# Altium PCB ASM001-design.PcbDoc (part 1 of 2) (continued)
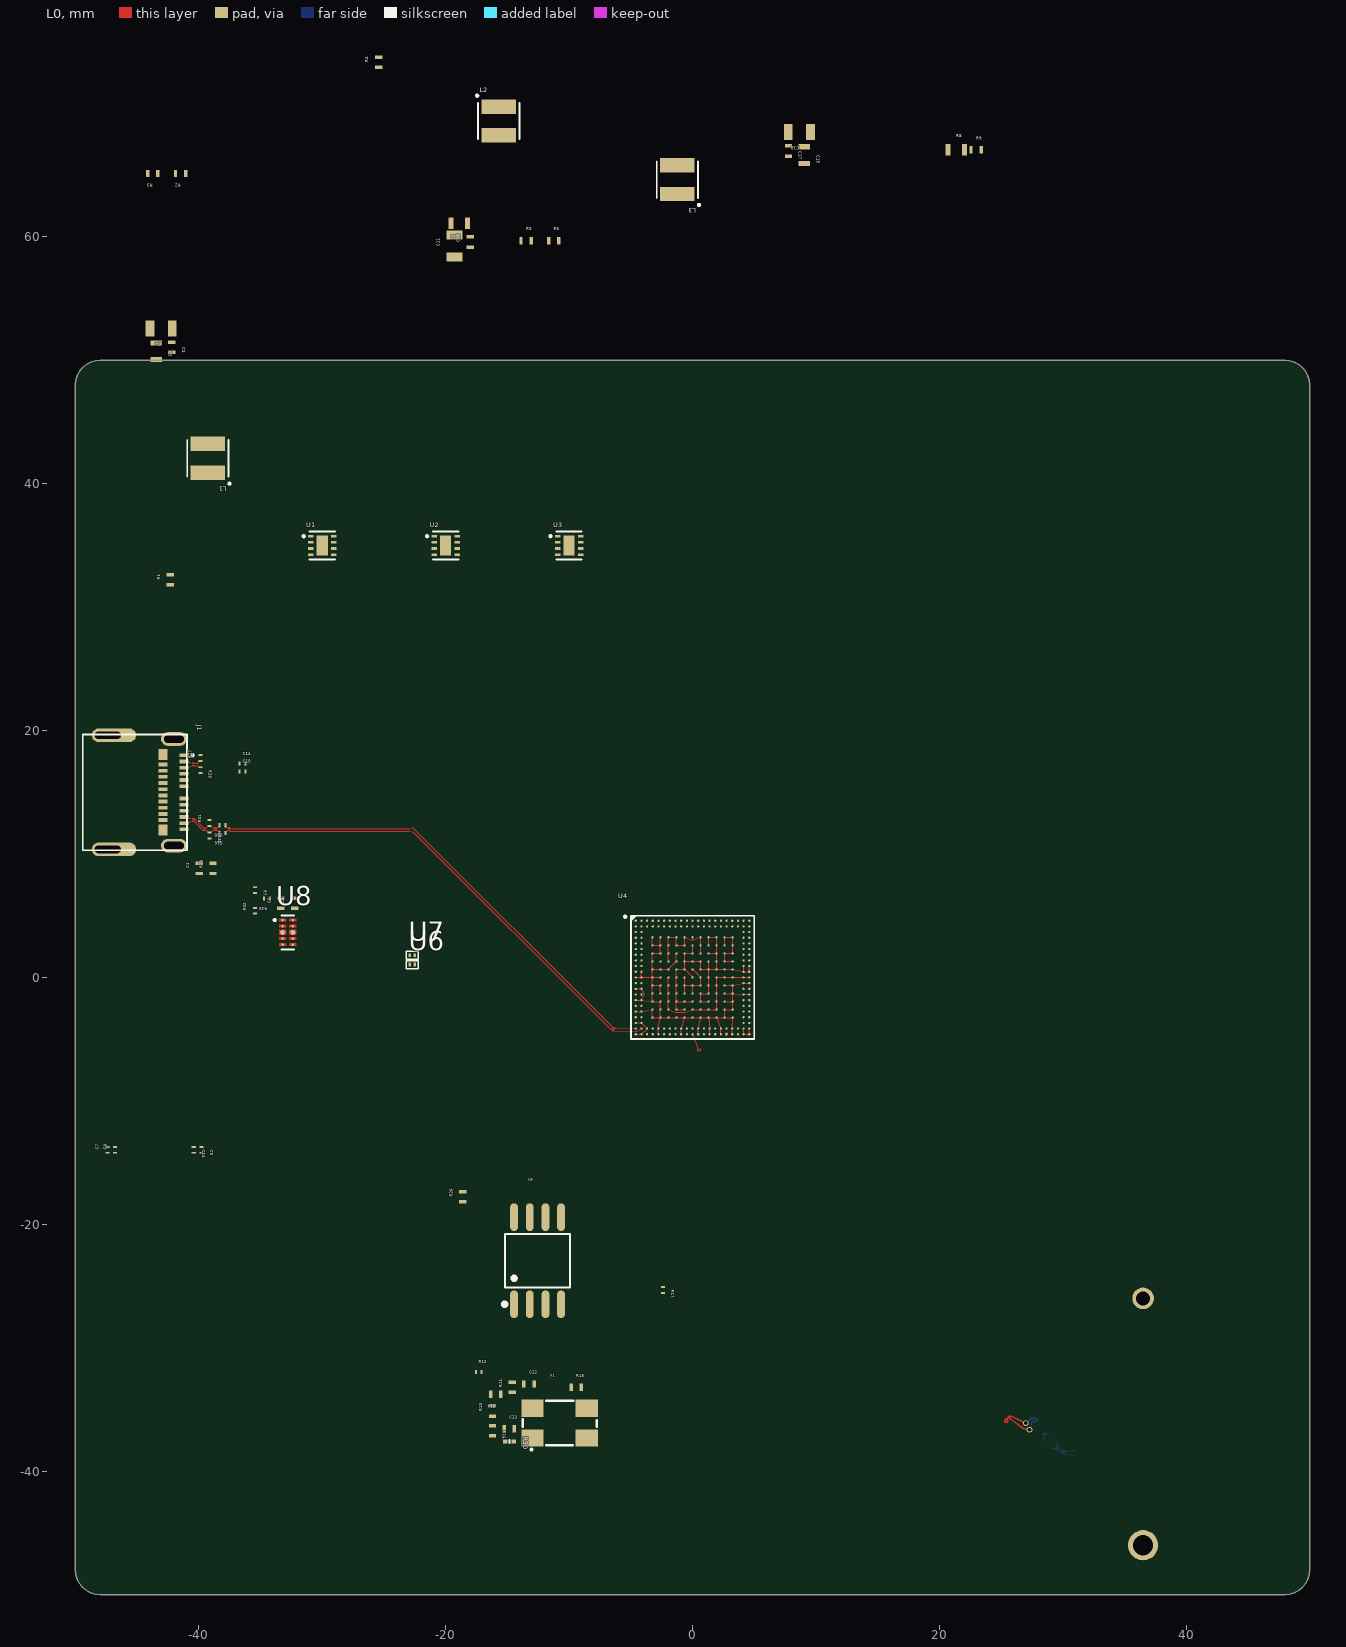
[diagram p0: L0 view]
## Part data
C1 C3 C17: Capacitance=4.7e-009, capacitor=true, case=0402, Manufacturer=YAGEO, manufacturer_aliases="[\"YAGEO\"]", Maximum Voltage=50.0V, MPN=CC0402KRX7R9BB472, mpn_aliases="[\"CC0402KRX7R9BB472\"]", rated-temperature="Toleranced(-55.0 <= 35.0 <= 125.0)", rated-voltage=50.0, temperature-coefficent=X7R, Tolerance="Toleranced(4.23e-009 <= 4.7e-009 <= 5.17e-009)", vendor_part_numbers.lcsc=C106208, area=0.5, category=capacitor, cofactr_id=CC7G7J78HHCN, Datasheet=https://www.lcsc.com/datasheet/lcsc_datasheet_2304140030_YAGEO-CC0402KRX7R9BB472_C106208.pdf, metadata.applications="General Purpose", metadata.description="50V 4.7nF X7R ±10% 0402  Multilayer Ceramic Capacitors MLCC - SMD/SMT ROHS", metadata.packaging="Tape & Reel (TR)", minimum_quantity=20, mounting=smd, Price=0.000884058, Reference=false, reference_prefix=C, stock=91353, trust=low, Type=ceramic, vendor_part_numbers.digi-key=311-1418-2-ND, x=0.5, y=1.0
  C1: query-properties="[\"capacitance\" => 4.7e-009 \"tolerance\" => 0.1 \"type\" => \"ceramic\" \"temperature-coefficient.code\" => [\"X7R\" \"X5R\"] \"min-rated-voltage\" => 6.0 \"category\" => \"capacitor\" \"case\" => [\"0402\" \"0603\" \"0805\" \"1210\"] \"mounting\" => \"smd\" \"min-stock\" => 1 \"_sellers\" => [\"JLCPCB\"]]"
  C3: query-properties="[\"min-rated-voltage\" => 0.35595 \"capacitance\" => 4.7e-009 \"tolerance\" => 0.1 \"type\" => \"ceramic\" \"temperature-coefficient.code\" => [\"X7R\" \"X5R\"] \"category\" => \"capacitor\" \"case\" => [\"0402\" \"0603\" \"0805\" \"1210\"] \"mounting\" => \"smd\" \"min-stock\" => 1 \"_sellers\" => [\"JLCPCB\"]]"
  C17: query-properties="[\"min-rated-voltage\" => 1.0197 \"capacitance\" => 4.7e-009 \"tolerance\" => 0.1 \"type\" => \"ceramic\" \"temperature-coefficient.code\" => [\"X7R\" \"X5R\"] \"category\" => \"capacitor\" \"case\" => [\"0402\" \"0603\" \"0805\" \"1210\"] \"mounting\" => \"smd\" \"min-stock\" => 1 \"_sellers\" => [\"JLCPCB\"]]"
C2 C6: Capacitance=2.2e-009, capacitor=true, case=0402, Manufacturer="Walsin Technology Corporation", manufacturer_aliases="[\"Walsin Technology Corporation\"]", Maximum Voltage=50.0V, MPN=0402B222K500CT, mpn_aliases="[\"0402B222K500CT\"]", rated-temperature="Toleranced(-55.0 <= 35.0 <= 125.0)", rated-voltage=50.0, temperature-coefficent=X7R, Tolerance="Toleranced(1.98e-009 <= 2.2e-009 <= 2.42e-009)", area=0.5, category=capacitor, cofactr_id=CCV6Z375U8GT, Datasheet=https://wmsc.lcsc.com/wmsc/upload/file/pdf/v2/lcsc/2304140030_Walsin-Tech-Corp-0402B222K500CT_C338130.pdf, metadata.applications="General Purpose", metadata.description="50V 2.2nF X7R ±10% 0402  Multilayer Ceramic Capacitors MLCC - SMD/SMT ROHS", metadata.packaging="Tape & Reel (TR)", minimum_quantity=20, mounting=smd, Price=0.000913043, query-properties="[\"tolerance\" => 0.1 \"case\" => [\"0201\" \"0603m\" \"0202\" \"0606m\" \"0204\" \"0510m\" \"Wide 0402\" \"0306\" \"0816m\" \"Wide 0603\" \"0402\" \"1005m\" \"0505\" \"1414m\" \"0508\" \"1220m\" \"Wide 0805\" \"0603\" \"1608m\" \"0612\" \"1632m\" \"Wide 1206\" \"0805\" \"2012m\" \"1111\" \"2828m\" \"1206\" \"3216m\" \"1210\" \"3225m\" \"1218\" \"3246m\" \"Wide 1812\" \"1225\" \"3263m\" \"Wide 2512\" \"1530\" \"3876m\" \"Wide 3015\" \"1808\" \"4520m\" \"1812\" \"4532m\" \"1825\" \"4564m\" \"1835\" \"4589\" \"Wide 3518\" \"5020m\" \"2010\" \"5025m\" \"2043\" \"Wide 4320\" \"2220\" \"5750m\" \"2225\" \"5763m\" \"2312\" \"6032m\" \"2512\" \"6331m\" \"2725\" \"7142m\" \"2728\" \"7142m\" \"Wide 2827\" \"2816\" \"2817\" \"7142m\" \"2953\" \"Wide 5929\" \"3920\" \"1052m\"] \"rated-voltage\" => 50.0 \"capacitance\" => 2.2e-009 \"type\" => \"ceramic\" \"temperature-coefficient.code\" => [\"X7R\" \"X5R\"] \"category\" => \"capacitor\" \"mounting\" => \"smd\" \"min-stock\" => 1 \"_sellers\" => [\"JLCPCB\"]]", Reference=false, reference_prefix=C, stock=10095, trust=low, Type=ceramic, vendor_part_numbers.digi-key=1292-1193-2-ND, vendor_part_numbers.lcsc=C338130, x=0.5, y=1.0
C4 C18: Capacitance=2.2e-005, capacitor=true, case=0805, Manufacturer="Samsung Electro-Mechanics", manufacturer_aliases="[\"Samsung Electro-Mechanics\"]", Maximum Voltage=6.3V, MPN=CL21A226KQQNNNE, mpn_aliases="[\"CL21A226KQQNNNE\"]", rated-temperature="Toleranced(-55.0 <= 15.0 <= 85.0)", rated-voltage=6.3, temperature-coefficent=X5R, Tolerance="Toleranced(1.98e-005 <= 2.2e-005 <= 2.42e-005)", vendor_part_numbers.lcsc=C87997, area=2.4, category=capacitor, cofactr_id=CC3ZNPURR0Q3, Datasheet=https://www.lcsc.com/datasheet/lcsc_datasheet_2304140030_Samsung-Electro-Mechanics-CL21A226KQQNNNE_C87997.pdf, metadata.applications="General Purpose", metadata.description="6.3V 22uF X5R ±10% 0805  Multilayer Ceramic Capacitors MLCC - SMD/SMT ROHS", metadata.packaging="Tape & Reel (TR)", minimum_quantity=5, mounting=smd, Price=0.024202899, Reference=false, reference_prefix=C, stock=6100, trust=low, Type=ceramic, vendor_part_numbers.digi-key=1276-2907-2-ND, x=1.2, y=2.0
  C4: query-properties="[\"min-rated-voltage\" => 0.35595 \"capacitance\" => 2.2e-005 \"tolerance\" => 0.1 \"type\" => \"ceramic\" \"temperature-coefficient.code\" => [\"X7R\" \"X5R\"] \"category\" => \"capacitor\" \"case\" => [\"0402\" \"0603\" \"0805\" \"1210\"] \"mounting\" => \"smd\" \"min-stock\" => 1 \"_sellers\" => [\"JLCPCB\"]]"
  C18: query-properties="[\"min-rated-voltage\" => 1.0197 \"capacitance\" => 2.2e-005 \"tolerance\" => 0.1 \"type\" => \"ceramic\" \"temperature-coefficient.code\" => [\"X7R\" \"X5R\"] \"category\" => \"capacitor\" \"case\" => [\"0402\" \"0603\" \"0805\" \"1210\"] \"mounting\" => \"smd\" \"min-stock\" => 1 \"_sellers\" => [\"JLCPCB\"]]"
C5 C12: Capacitance=1.0e-005, capacitor=true, case=0603, Manufacturer="Samsung Electro-Mechanics", manufacturer_aliases="[\"Samsung Electro-Mechanics\"]", Maximum Voltage=10.0V, MPN=CL10A106KP8NNNC, mpn_aliases="[\"CL10A106KP8NNNC\"]", rated-temperature="Toleranced(-55.0 <= 15.0 <= 85.0)", rated-voltage=10.0, temperature-coefficent=X5R, Tolerance="Toleranced(9.0e-006 <= 1.0e-005 <= 1.1e-005)", vendor_part_numbers.lcsc=C19702, area=1.28, category=capacitor, cofactr_id=XXV72YFXSLXT, Datasheet=https://www.lcsc.com/datasheet/lcsc_datasheet_2304140030_Samsung-Electro-Mechanics-CL10A106KP8NNNC_C19702.pdf, metadata.applications="General Purpose", metadata.description="10V 10uF X5R ±10% 0603  Multilayer Ceramic Capacitors MLCC - SMD/SMT ROHS", metadata.packaging="Cut Tape (CT)", minimum_quantity=20, mounting=smd, Price=0.004536232, query-properties="[\"min-rated-voltage\" => 1.65 \"capacitance\" => 1.0e-005 \"tolerance\" => 0.1 \"type\" => \"ceramic\" \"temperature-coefficient.code\" => [\"X7R\" \"X5R\"] \"category\" => \"capacitor\" \"case\" => [\"0402\" \"0603\" \"0805\" \"1210\"] \"mounting\" => \"smd\" \"min-stock\" => 1 \"_sellers\" => [\"JLCPCB\"]]", Reference=false, reference_prefix=C, stock=5110333, trust=low, Type=ceramic, vendor_part_numbers.digi-key=1276-1192-1-ND, x=0.8, y=1.6
C7 C8 C9 C13: Capacitance=2.2e-007, capacitor=true, case=0201, Manufacturer="Murata Electronics", manufacturer_aliases="[\"Murata Electronics\"]", Maximum Voltage=6.3V, MPN=GRM033R60J224KE15D, mpn_aliases="[\"GRM033R60J224KE15D\"]", rated-temperature="Toleranced(-55.0 <= 15.0 <= 85.0)", rated-voltage=6.3, temperature-coefficent=X5R, Tolerance="Toleranced(1.98e-007 <= 2.2e-007 <= 2.42e-007)", area=0.18, category=capacitor, cofactr_id=CCC4JRK6CIEE, Datasheet=https://wmsc.lcsc.com/wmsc/upload/file/pdf/v2/lcsc/1811081531_Murata-Electronics-GRM033R60J224KE15D_C76931.pdf, metadata.applications="General Purpose", metadata.description="6.3V 220nF X5R ±10% 0201  Multilayer Ceramic Capacitors MLCC - SMD/SMT ROHS", metadata.packaging="Cut Tape (CT)", minimum_quantity=20, mounting=smd, Price=0.002028986, query-properties="[\"case\" => [\"0201\" \"0603m\" \"0202\" \"0606m\" \"0204\" \"0510m\" \"Wide 0402\" \"0306\" \"0816m\" \"Wide 0603\" \"0402\" \"1005m\" \"0505\" \"1414m\" \"0508\" \"1220m\" \"Wide 0805\" \"0603\" \"1608m\" \"0612\" \"1632m\" \"Wide 1206\" \"0805\" \"2012m\" \"1111\" \"2828m\" \"1206\" \"3216m\" \"1210\" \"3225m\" \"1218\" \"3246m\" \"Wide 1812\" \"1225\" \"3263m\" \"Wide 2512\" \"1530\" \"3876m\" \"Wide 3015\" \"1808\" \"4520m\" \"1812\" \"4532m\" \"1825\" \"4564m\" \"1835\" \"4589\" \"Wide 3518\" \"5020m\" \"2010\" \"5025m\" \"2043\" \"Wide 4320\" \"2220\" \"5750m\" \"2225\" \"5763m\" \"2312\" \"6032m\" \"2512\" \"6331m\" \"2725\" \"7142m\" \"2728\" \"7142m\" \"Wide 2827\" \"2816\" \"2817\" \"7142m\" \"2953\" \"Wide 5929\" \"3920\" \"1052m\"] \"min-capacitance\" => 1.35e-007 \"max-capacitance\" => 265000.0 \"tolerance\" => 0.1 \"type\" => \"ceramic\" \"temperature-coefficient.code\" => [\"X7R\" \"X5R\"] \"min-rated-voltage\" => 6.0 \"category\" => \"capacitor\" \"mounting\" => \"smd\" \"min-stock\" => 1 \"_sellers\" => [\"JLCPCB\"]]", Reference=false, reference_prefix=C, stock=8578, trust=low, Type=ceramic, vendor_part_numbers.digi-key=490-10406-1-ND, vendor_part_numbers.lcsc=C76931, x=0.3, y=0.6
C10: Capacitance=4.7e-009, capacitor=true, case=0402, Manufacturer=YAGEO, manufacturer_aliases="[\"YAGEO\"]", Maximum Voltage=50.0V, MPN=CC0402KRX7R9BB472, mpn_aliases="[\"CC0402KRX7R9BB472\"]", rated-temperature="Toleranced(-55.0 <= 35.0 <= 125.0)", rated-voltage=50.0, temperature-coefficent=X7R, Tolerance="Toleranced(4.23e-009 <= 4.7e-009 <= 5.17e-009)", area=0.5, category=capacitor, cofactr_id=CC7G7J78HHCN, Datasheet=https://www.lcsc.com/datasheet/lcsc_datasheet_2304140030_YAGEO-CC0402KRX7R9BB472_C106208.pdf, metadata.applications="General Purpose", metadata.description="50V 4.7nF X7R ±10% 0402  Multilayer Ceramic Capacitors MLCC - SMD/SMT ROHS", metadata.packaging="Tape & Reel (TR)", minimum_quantity=20, mounting=smd, Price=0.000884058, query-properties="[\"min-rated-voltage\" => 0.5985 \"capacitance\" => 4.7e-009 \"tolerance\" => 0.1 \"type\" => \"ceramic\" \"temperature-coefficient.code\" => [\"X7R\" \"X5R\"] \"category\" => \"capacitor\" \"case\" => [\"0402\" \"0603\" \"0805\" \"1210\"] \"mounting\" => \"smd\" \"min-stock\" => 1 \"_sellers\" => [\"JLCPCB\"]]", Reference=false, reference_prefix=C, stock=91353, trust=low, Type=ceramic, vendor_part_numbers.digi-key=311-1418-2-ND, vendor_part_numbers.lcsc=C106208, x=0.5, y=1.0
C11: Capacitance=2.2e-005, capacitor=true, case=0805, Manufacturer="Samsung Electro-Mechanics", manufacturer_aliases="[\"Samsung Electro-Mechanics\"]", Maximum Voltage=6.3V, MPN=CL21A226KQQNNNE, mpn_aliases="[\"CL21A226KQQNNNE\"]", rated-temperature="Toleranced(-55.0 <= 15.0 <= 85.0)", rated-voltage=6.3, temperature-coefficent=X5R, Tolerance="Toleranced(1.98e-005 <= 2.2e-005 <= 2.42e-005)", area=2.4, category=capacitor, cofactr_id=CC3ZNPURR0Q3, Datasheet=https://www.lcsc.com/datasheet/lcsc_datasheet_2304140030_Samsung-Electro-Mechanics-CL21A226KQQNNNE_C87997.pdf, metadata.applications="General Purpose", metadata.description="6.3V 22uF X5R ±10% 0805  Multilayer Ceramic Capacitors MLCC - SMD/SMT ROHS", metadata.packaging="Tape & Reel (TR)", minimum_quantity=5, mounting=smd, Price=0.024202899, query-properties="[\"min-rated-voltage\" => 0.5985 \"capacitance\" => 2.2e-005 \"tolerance\" => 0.1 \"type\" => \"ceramic\" \"temperature-coefficient.code\" => [\"X7R\" \"X5R\"] \"category\" => \"capacitor\" \"case\" => [\"0402\" \"0603\" \"0805\" \"1210\"] \"mounting\" => \"smd\" \"min-stock\" => 1 \"_sellers\" => [\"JLCPCB\"]]", Reference=false, reference_prefix=C, stock=6100, trust=low, Type=ceramic, vendor_part_numbers.digi-key=1276-2907-2-ND, vendor_part_numbers.lcsc=C87997, x=1.2, y=2.0
C14 C15 C16 C20: Capacitance=4.7e-007, capacitor=true, case=0201, Manufacturer="Murata Electronics", manufacturer_aliases="[\"Murata Electronics\"]", Maximum Voltage=6.3V, MPN=GRM033R60J474KE90D, mpn_aliases="[\"GRM033R60J474KE90D\"]", rated-temperature="Toleranced(-55.0 <= 15.0 <= 85.0)", rated-voltage=6.3, temperature-coefficent=X5R, Tolerance="Toleranced(4.23e-007 <= 4.7e-007 <= 5.17e-007)", area=0.18, category=capacitor, cofactr_id=CCIA9C79QNHV, Datasheet=https://wmsc.lcsc.com/wmsc/upload/file/pdf/v2/lcsc/2212052030_Murata-Electronics-GRM033R60J474KE90D_C85926.pdf, metadata.applications="General Purpose", metadata.description="6.3V 470nF X5R ±10% 0201  Multilayer Ceramic Capacitors MLCC - SMD/SMT ROHS", metadata.packaging="Cut Tape (CT)", minimum_quantity=20, mounting=smd, Price=0.002376812, query-properties="[\"case\" => [\"0201\" \"0603m\" \"0202\" \"0606m\" \"0204\" \"0510m\" \"Wide 0402\" \"0306\" \"0816m\" \"Wide 0603\" \"0402\" \"1005m\" \"0505\" \"1414m\" \"0508\" \"1220m\" \"Wide 0805\" \"0603\" \"1608m\" \"0612\" \"1632m\" \"Wide 1206\" \"0805\" \"2012m\" \"1111\" \"2828m\" \"1206\" \"3216m\" \"1210\" \"3225m\" \"1218\" \"3246m\" \"Wide 1812\" \"1225\" \"3263m\" \"Wide 2512\" \"1530\" \"3876m\" \"Wide 3015\" \"1808\" \"4520m\" \"1812\" \"4532m\" \"1825\" \"4564m\" \"1835\" \"4589\" \"Wide 3518\" \"5020m\" \"2010\" \"5025m\" \"2043\" \"Wide 4320\" \"2220\" \"5750m\" \"2225\" \"5763m\" \"2312\" \"6032m\" \"2512\" \"6331m\" \"2725\" \"7142m\" \"2728\" \"7142m\" \"Wide 2827\" \"2816\" \"2817\" \"7142m\" \"2953\" \"Wide 5929\" \"3920\" \"1052m\"] \"min-capacitance\" => 3.0e-007 \"max-capacitance\" => 363000.0 \"tolerance\" => 0.1 \"type\" => \"ceramic\" \"temperature-coefficient.code\" => [\"X7R\" \"X5R\"] \"min-rated-voltage\" => 6.0 \"category\" => \"capacitor\" \"mounting\" => \"smd\" \"min-stock\" => 1 \"_sellers\" => [\"JLCPCB\"]]", Reference=false, reference_prefix=C, stock=47487, trust=low, Type=ceramic, vendor_part_numbers.digi-key=490-10409-1-ND, vendor_part_numbers.lcsc=C85926, x=0.3, y=0.6
C19: Capacitance=1.0e-005, capacitor=true, case=0603, Manufacturer="Samsung Electro-Mechanics", manufacturer_aliases="[\"Samsung Electro-Mechanics\"]", Maximum Voltage=10.0V, MPN=CL10A106KP8NNNC, mpn_aliases="[\"CL10A106KP8NNNC\"]", rated-temperature="Toleranced(-55.0 <= 15.0 <= 85.0)", rated-voltage=10.0, temperature-coefficent=X5R, Tolerance="Toleranced(9.0e-006 <= 1.0e-005 <= 1.1e-005)", area=1.28, category=capacitor, cofactr_id=XXV72YFXSLXT, Datasheet=https://www.lcsc.com/datasheet/lcsc_datasheet_2304140030_Samsung-Electro-Mechanics-CL10A106KP8NNNC_C19702.pdf, metadata.applications="General Purpose", metadata.description="10V 10uF X5R ±10% 0603  Multilayer Ceramic Capacitors MLCC - SMD/SMT ROHS", metadata.packaging="Cut Tape (CT)", minimum_quantity=20, mounting=smd, Price=0.004536232, query-properties="[\"min-rated-voltage\" => 1.65 \"capacitance\" => 1.0e-005 \"tolerance\" => 0.1 \"type\" => \"ceramic\" \"temperature-coefficient.code\" => [\"X7R\" \"X5R\"] \"category\" => \"capacitor\" \"case\" => [\"0402\" \"0603\" \"0805\" \"1210\"] \"mounting\" => \"smd\" \"min-stock\" => 1 \"_sellers\" => [\"JLCPCB\"]]", Reference=false, reference_prefix=C, stock=5110333, trust=low, Type=ceramic, vendor_part_numbers.digi-key=1276-1192-1-ND, vendor_part_numbers.lcsc=C19702, x=0.8, y=1.6
C22: Capacitance=1.0e-006, capacitor=true, case=0402, Manufacturer="Murata Electronics", manufacturer_aliases="[\"Murata Electronics\"]", Maximum Voltage=50.0V, MPN=GRM155R61H105KE05D, mpn_aliases="[\"GRM155R61H105KE05D\"]", rated-temperature="Toleranced(-55.0 <= 15.0 <= 85.0)", rated-voltage=50.0, temperature-coefficent=X5R, Tolerance="Toleranced(9.0e-007 <= 1.0e-006 <= 1.1e-006)", area=0.5, category=capacitor, cofactr_id=CCK5EGLHOV3I, Datasheet=https://wmsc.lcsc.com/wmsc/upload/file/pdf/v2/lcsc/2201180430_Murata-Electronics-GRM155R61H105KE05D_C1518208.pdf, metadata.applications="General Purpose", metadata.description="50V 1uF X5R ±10% 0402  Multilayer Ceramic Capacitors MLCC - SMD/SMT ROHS", metadata.packaging="Tape & Reel (TR)", minimum_quantity=5, mounting=smd, Price=0.025652174, query-properties="[\"case\" => [\"0201\" \"0402\"] \"rated-voltage\" => 50.0 \"capacitance\" => 1.0e-006 \"tolerance\" => 0.1 \"type\" => \"ceramic\" \"temperature-coefficient.code\" => [\"X7R\" \"X5R\"] \"category\" => \"capacitor\" \"mounting\" => \"smd\" \"min-stock\" => 1 \"_sellers\" => [\"JLCPCB\"]]", Reference=false, reference_prefix=C, stock=222336, trust=low, Type=ceramic, vendor_part_numbers.digi-key=490-GRM155R61H105KE05DTR-ND, vendor_part_numbers.lcsc=C1518208, x=0.5, y=1.0
C23: Capacitance=1.0e-011, case=0402, Manufacturer="KYOCERA AVX", manufacturer_aliases="[\"AVX Corporation\"]", Maximum Voltage=50.0V, MPN=04025A100FAT2A, mpn_aliases="[\"04025A100FAT2A\"]", rated-temperature="Toleranced(-55.0 <= 35.0 <= 125.0)", rated-voltage=50.0, temperature-coefficent=C0G, Tolerance="Toleranced(9.9e-012 <= 1.0e-011 <= 1.01e-011)", area=0.5, category=capacitor, cofactr_id=CCOVHWU6D1V4, Datasheet=https://datasheets.avx.com/C0GNP0-Dielectric.pdf, metadata.applications="General Purpose", metadata.description="CAP CER 10PF 50V NP0 0402", metadata.packaging="Tape & Reel (TR)", mounting=smd, Reference=false, reference_prefix=C, trust=low, Type=ceramic, x=0.5, y=1.0, z=0.56
C35 C36: Capacitance=220p, Manufacturer="KYOCERA AVX", Maximum Voltage=6.3V, MPN=02013A1R5BAT2A, Tolerance=0.2%, Datasheet=https://datasheets.avx.com/C0GNP0-Dielectric.pdf, Reference=false
J1: Manufacturer=Molex, MPN=2012670005, rated-temperature="Toleranced(-40.0 <= 32.5 <= 105.0)", Datasheet=https://www.molex.com/content/dam/molex/molex-dot-com/products/automated/en-us/salesdrawingpdf/201/201267/2012670005_sd.pdf, Reference=false
J2: Manufacturer="TE Connectivity", MPN=1-2199230-6, Digi-Key_Part_Number=A118046TR-ND, Reference=false
JITX1: Manufacturer=non-BOM, MPN=non-BOM, Reference=false
L1 L2 L3: DC-resistance="Toleranced(0.039 <= 0.039 <= 0.046)", derate-current="Toleranced(2.6 <= 2.6 <= 2.6)", derate-temp=65.0, inductance="Toleranced(8.0e-007 <= 1.0e-006 <= 1.2e-006)", Manufacturer=Coilcraft, Maximum Current=2.3A, MPN=XFL3012-102MEC, rated-current="Toleranced(2.3 <= 2.3 <= 2.3)", self-resonant-frequency=115000000.0, Tolerance=0.2%, Datasheet=https://www.coilcraft.com/getmedia/f76a3c9b-4fff-4397-8028-ef8e043eb200/xfl3012.pdf, Reference=false
R1 R4 R26 R28: case=0402, Manufacturer=Sunway, manufacturer_aliases="[\"Sunway\"]", Maximum Power=0.0625W, MPN=SC0402F0000I2ANRH, mpn_aliases="[\"SC0402F0000I2ANRH\"]", rated-power=0.0625, Resistance=0R, resistor=true, Tolerance="Toleranced(0.0 <= 0.0 <= 0.0)", vendor_part_numbers.lcsc=C3152056, area=0.5, category=resistor, Datasheet=https://datasheet.lcsc.com/lcsc/2207281800_Sunway-SC0402F0000I2ANRH_C3152056.pdf, metadata.description="62.5mW ±300ppm/℃ ±1% 0Ω 0402  Chip Resistor - Surface Mount ROHS", minimum_quantity=20, mounting=smd, Price=0.000362319, Reference=false, reference_prefix=R, stock=100806, trust=low, x=0.5, y=1.0
  R1 R4 R26: query-properties="[\"tolerance\" => 0.01 \"resistance\" => 0.0 \"category\" => \"resistor\" \"min-stock\" => 1 \"_sellers\" => [\"JLCPCB\"]]"
  R28: query-properties="[\"resistance\" => 0.0 \"tolerance\" => 0.01 \"category\" => \"resistor\" \"case\" => [\"0402\" \"0603\" \"0805\" \"1210\"] \"mounting\" => \"smd\" \"min-stock\" => 1 \"_sellers\" => [\"JLCPCB\"]]"
R2: case=0402, Manufacturer=YAGEO, manufacturer_aliases="[\"YAGEO\"]", Maximum Power=0.063W, metadata.supplier-device-package=402, MPN=RC0402FR-076K49L, mpn_aliases="[\"RC0402FR-076K49L\"]", rated-power=0.063, rated-temperature="Toleranced(-55.0 <= 50.0 <= 155.0)", Resistance=6490.0, resistor=true, Tolerance="Toleranced(6425.1 <= 6490.0 <= 6554.9)", area=0.5, category=resistor, cofactr_id=RCKZPCG5OWB6, Composition=thick-film, Datasheet=https://wmsc.lcsc.com/wmsc/upload/file/pdf/v2/lcsc/2304140030_YAGEO-RC0402FR-076K49L_C364360.pdf, metadata.description="62.5mW Thick Film Resistors ±100ppm/℃ ±1% 6.49kΩ 0402  Chip Resistor - Surface Mount ROHS", metadata.features="Moisture Resistant", metadata.number-of-terminations=2.0, metadata.packaging="Tape & Reel (TR)", minimum_quantity=20, mounting=smd, Price=0.000521739, query-properties="[\"tolerance\" => 0.01 \"_exist\" => [\"tcr.pos\" \"tcr.neg\"] \"resistance\" => 6490.0 \"category\" => \"resistor\" \"case\" => [\"0402\" \"0603\" \"0805\" \"1210\"] \"mounting\" => \"smd\" \"min-stock\" => 1 \"_sellers\" => [\"JLCPCB\"]]", Reference=false, reference_prefix=R, stock=658, TCR="[-0.0001 0.0001]", trust=low, Type=chip, vendor_part_numbers.digi-key=311-6.49KLRTR-ND, vendor_part_numbers.lcsc=C364360, x=0.5, y=1.0
R3: case=0402, Manufacturer=FOJAN, manufacturer_aliases="[\"FOJAN\"]", Maximum Power=0.0625W, MPN=FRC0402F4301TS, mpn_aliases="[\"FRC0402F4301TS\"]", rated-power=0.0625, Resistance=4300.0, resistor=true, Tolerance="Toleranced(4257.0 <= 4300.0 <= 4343.0)", vendor_part_numbers.lcsc=C2930008, area=0.5, category=resistor, Datasheet=https://wmsc.lcsc.com/wmsc/upload/file/pdf/v2/lcsc/2308241009_FOJAN-FRC0402F4301TS_C2930008.pdf, metadata.description="62.5mW Thick Film Resistors ±100ppm/℃ ±1% 4.3kΩ 0402  Chip Resistor - Surface Mount ROHS", minimum_quantity=20, mounting=smd, Price=0.000463768, query-properties="[\"tolerance\" => 0.01 \"_exist\" => [\"tcr.pos\" \"tcr.neg\"] \"resistance\" => 4300.0 \"category\" => \"resistor\" \"case\" => [\"0402\" \"0603\" \"0805\" \"1210\"] \"mounting\" => \"smd\" \"min-stock\" => 1 \"_sellers\" => [\"JLCPCB\"]]", Reference=false, reference_prefix=R, stock=1274, trust=low, x=0.5, y=1.0
R5: case=0402, Manufacturer="Walsin Technology Corporation", manufacturer_aliases="[\"Walsin Technology Corporation\"]", Maximum Power=0.063W, metadata.supplier-device-package=402, MPN=WR04X1332FTL, mpn_aliases="[\"WR04X1332FTL\"]", rated-power=0.063, rated-temperature="Toleranced(-55.0 <= 50.0 <= 155.0)", Resistance=13300.0, resistor=true, Tolerance="Toleranced(13167.0 <= 13300.0 <= 13433.0)", area=0.5, category=resistor, cofactr_id=RCAMEG8S2B67, Composition=thick-film, Datasheet=https://wmsc.lcsc.com/wmsc/upload/file/pdf/v2/lcsc/2304140030_Walsin-Tech-Corp-WR04X1332FTL_C334647.pdf, metadata.description="62.5mW Thick Film Resistors ±100ppm/℃ ±1% 13.3kΩ 0402  Chip Resistor - Surface Mount ROHS", metadata.number-of-terminations=2.0, metadata.packaging="Tape & Reel (TR)", minimum_quantity=20, mounting=smd, Price=0.000550725, query-properties="[\"tolerance\" => 0.01 \"_exist\" => [\"tcr.pos\" \"tcr.neg\"] \"resistance\" => 13300.0 \"category\" => \"resistor\" \"case\" => [\"0402\" \"0603\" \"0805\" \"1210\"] \"mounting\" => \"smd\" \"min-stock\" => 1 \"_sellers\" => [\"JLCPCB\"]]", Reference=false, reference_prefix=R, stock=1593, TCR="[-0.0001 0.0001]", trust=low, Type=chip, vendor_part_numbers.digi-key=1292-WR04X1332FTLTR-ND, vendor_part_numbers.lcsc=C334647, x=0.5, y=1.0
R6: case=0402, Manufacturer=YAGEO, manufacturer_aliases="[\"YAGEO\"]", Maximum Power=0.063W, metadata.supplier-device-package=402, MPN=RC0402FR-074K12L, mpn_aliases="[\"RC0402FR-074K12L\"]", rated-power=0.063, rated-temperature="Toleranced(-55.0 <= 50.0 <= 155.0)", Resistance=4120.0, resistor=true, Tolerance="Toleranced(4078.8 <= 4120.0 <= 4161.2)", area=0.5, category=resistor, cofactr_id=XX5JAF8ZBICW, Composition=thick-film, Datasheet=https://wmsc.lcsc.com/wmsc/upload/file/pdf/v2/lcsc/1811011622_YAGEO-RC0402FR-074K12L_C327340.pdf, metadata.description="62.5mW Thick Film Resistors ±100ppm/℃ ±1% 4.12kΩ 0402  Chip Resistor - Surface Mount ROHS", metadata.features="Moisture Resistant", metadata.number-of-terminations=2.0, metadata.packaging="Tape & Reel (TR)", minimum_quantity=20, mounting=smd, Price=0.000521739, query-properties="[\"tolerance\" => 0.01 \"_exist\" => [\"tcr.pos\" \"tcr.neg\"] \"resistance\" => 4120.0 \"category\" => \"resistor\" \"case\" => [\"0402\" \"0603\" \"0805\" \"1210\"] \"mounting\" => \"smd\" \"min-stock\" => 1 \"_sellers\" => [\"JLCPCB\"]]", Reference=false, reference_prefix=R, stock=272, TCR="[-0.0001 0.0001]", trust=low, Type=chip, vendor_part_numbers.digi-key=YAG3171TR-ND, vendor_part_numbers.lcsc=C327340, x=0.5, y=1.0
R7 R17 R27 R29 R30 R31 R32 R33: case=0201, Manufacturer=Sunway, manufacturer_aliases="[\"Sunway\"]", Maximum Power=0.05W, MPN=SC0201F2003G1BNRH, mpn_aliases="[\"SC0201F2003G1BNRH\"]", rated-power=0.05, Resistance=200000.0, resistor=true, Tolerance="Toleranced(198000.0 <= 200000.0 <= 202000.0)", vendor_part_numbers.lcsc=C3152021, area=0.18, category=resistor, Datasheet=https://datasheet.lcsc.com/lcsc/2207281830_Sunway-SC0201F2003G1BNRH_C3152021.pdf, metadata.description="50mW ±1% ±200ppm/℃ 200kΩ 0201  Chip Resistor - Surface Mount ROHS", minimum_quantity=20, mounting=smd, Price=0.000492754, query-properties="[\"case\" => [\"0201\" \"0603m\" \"0202\" \"0606m\" \"0204\" \"0510m\" \"Wide 0402\" \"0306\" \"0816m\" \"Wide 0603\" \"0402\" \"1005m\" \"0505\" \"1414m\" \"0508\" \"1220m\" \"Wide 0805\" \"0603\" \"1608m\" \"0612\" \"1632m\" \"Wide 1206\" \"0805\" \"2012m\" \"1111\" \"2828m\" \"1206\" \"3216m\" \"1210\" \"3225m\" \"1218\" \"3246m\" \"Wide 1812\" \"1225\" \"3263m\" \"Wide 2512\" \"1530\" \"3876m\" \"Wide 3015\" \"1808\" \"4520m\" \"1812\" \"4532m\" \"1825\" \"4564m\" \"1835\" \"4589\" \"Wide 3518\" \"5020m\" \"2010\" \"5025m\" \"2043\" \"Wide 4320\" \"2220\" \"5750m\" \"2225\" \"5763m\" \"2312\" \"6032m\" \"2512\" \"6331m\" \"2725\" \"7142m\" \"2728\" \"7142m\" \"Wide 2827\" \"2816\" \"2817\" \"7142m\" \"2953\" \"Wide 5929\" \"3920\" \"1052m\"] \"min-resistance\" => 200000.0 \"max-resistance\" => 242000.0 \"tolerance\" => 0.01 \"category\" => \"resistor\" \"mounting\" => \"smd\" \"min-stock\" => 1 \"_sellers\" => [\"JLCPCB\"]]", Reference=false, reference_prefix=R, stock=7233, trust=low, x=0.3, y=0.6
R8: case=0603, Manufacturer=YAGEO, manufacturer_aliases="[\"YAGEO\"]", Maximum Power=0.1W, metadata.supplier-device-package=603, MPN=RT0603BRD0726K1L, mpn_aliases="[\"RT0603BRD0726K1L\"]", rated-power=0.1, rated-temperature="Toleranced(-55.0 <= 50.0 <= 155.0)", Resistance=26100.0, resistor=true, Tolerance="Toleranced(26073.9 <= 26100.0 <= 26126.1)", vendor_part_numbers.lcsc=C728586, area=1.28, category=resistor, cofactr_id=RCENZ0MSUF8I, Composition=thin-film, Datasheet=https://wmsc.lcsc.com/wmsc/upload/file/pdf/v2/lcsc/2304140030_YAGEO-RT0603BRD0726K1L_C728586.pdf, metadata.description="100mW Thin Film Resistor ±25ppm/℃ ±0.1% 26.1kΩ 0603  Chip Resistor - Surface Mount ROHS", metadata.number-of-terminations=2.0, metadata.packaging="Cut Tape (CT)", minimum_quantity=20, mounting=smd, Price=0.020869565, query-properties="[\"tolerance\" => 0.001 \"_exist\" => [\"tcr.pos\" \"tcr.neg\"] \"resistance\" => 26100.0 \"category\" => \"resistor\" \"case\" => [\"0402\" \"0603\" \"0805\" \"1210\"] \"mounting\" => \"smd\" \"min-stock\" => 1 \"_sellers\" => [\"JLCPCB\"]]", Reference=false, reference_prefix=R, stock=2, TCR="[-2.5e-005 2.5e-005]", trust=low, Type=chip, vendor_part_numbers.digi-key=YAG1603CT-ND, x=0.8, y=1.6, z=0.55
R9: case=0402, Manufacturer=YAGEO, manufacturer_aliases="[\"YAGEO\"]", Maximum Power=0.063W, metadata.supplier-device-package=402, MPN=RT0402BRD074K12L, mpn_aliases="[\"RT0402BRD074K12L\"]", rated-power=0.063, rated-temperature="Toleranced(-55.0 <= 50.0 <= 155.0)", Resistance=4120.0, resistor=true, Tolerance="Toleranced(4115.88 <= 4120.0 <= 4124.12)", vendor_part_numbers.lcsc=C852812, area=0.5, category=resistor, cofactr_id=RCOMYQH3LXUN, Composition=thin-film, Datasheet=https://wmsc.lcsc.com/wmsc/upload/file/pdf/v2/lcsc/2204130915_YAGEO-RT0402BRD074K12L_C852812.pdf, metadata.description="62.5mW Thin Film Resistor ±25ppm/℃ ±0.1% 4.12kΩ 0402  Chip Resistor - Surface Mount ROHS", metadata.number-of-terminations=2.0, metadata.packaging="Tape & Reel (TR)", minimum_quantity=20, mounting=smd, Price=0.016086957, query-properties="[\"tolerance\" => 0.001 \"_exist\" => [\"tcr.pos\" \"tcr.neg\"] \"resistance\" => 4120.0 \"category\" => \"resistor\" \"case\" => [\"0402\" \"0603\" \"0805\" \"1210\"] \"mounting\" => \"smd\" \"min-stock\" => 1 \"_sellers\" => [\"JLCPCB\"]]", Reference=false, reference_prefix=R, stock=75, TCR="[-2.5e-005 2.5e-005]", trust=low, Type=chip, vendor_part_numbers.digi-key=YAG4272TR-ND, x=0.5, y=1.0, z=0.35